# KiCad board LAUNCHXL-F280049C-KICAD.kicad_pcb (continued)
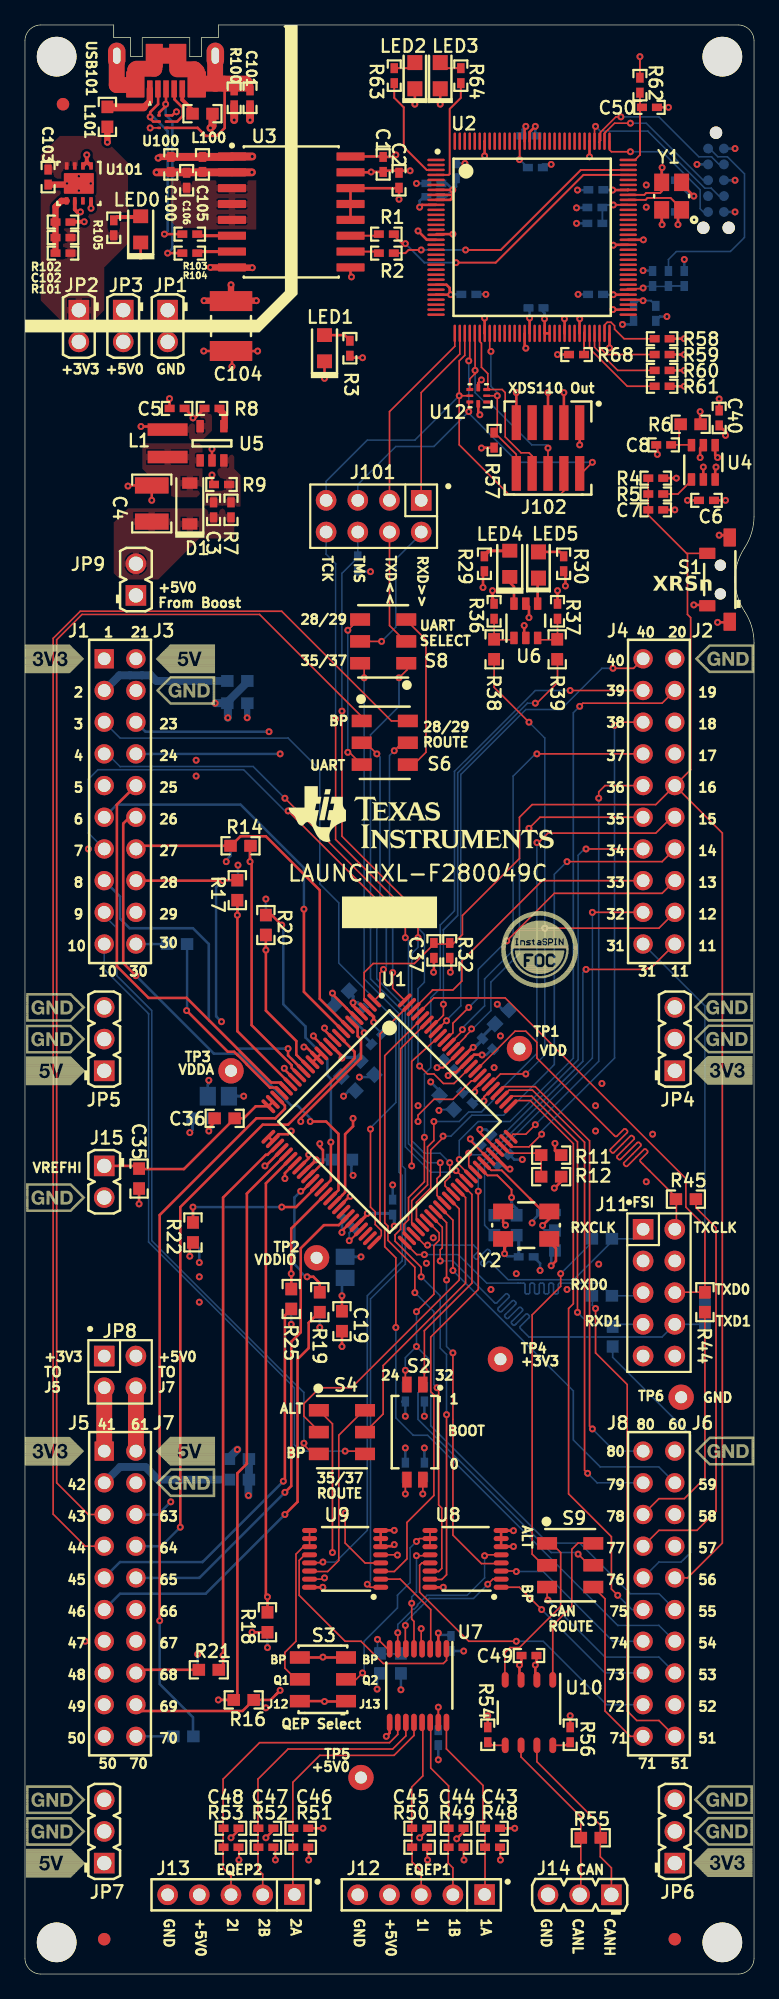
[diagram p0: board, top side]
## Nets
+3V3: C1.2 C2.2 C5.1 C6.2 C15.1 C19.1 C40.2 C41.1 C49.2 C51.1 C52.1 C53.1 C54.1 C55.1 C56.1 C57.1 C58.1 J1.1 J10.1 J11.10 J102.1 JP2.2 JP4.1 JP6.1 JP8.1 L1.1 L2.1 L3.1 R3.2 R4.2 R6.2 R8.2 R10.2 R11.2 R29.2 R30.2 R32.2 R33.2 R34.2 R36.2 R37.2 R42.1 R54.2 R57.2 R58.2 R59.2 R60.2 R61.2 R65.2 R70.2 S3.3 S3.6 TP4.1 U2.7 U2.8 U2.9 U2.16 U2.26 U2.28 U2.39 U2.47 U2.51 U2.52 U2.69 U2.79 U2.90 U2.101 U2.113 U2.122 U3.12 U3.13 U3.14 U3.16 U4.3 U4.4 U4.5 U5.5 U6.5 U7.2 U8.16 U9.16 U10.3 U12.8
+5V0: C42.2 J1.21 J12.4 J13.4 JP3.2 JP5.1 JP7.1 JP8.2 JP9.1 R48.2 R49.2 R50.2 R51.2 R52.2 R53.2 R62.1 TP5.1 U7.15
GND: C1.1 C2.1 C4.2 C5.2 C6.1 C7.2 C8.2 C9.1 C10.1 C11.2 C12.2 C13.2 C14.2 C15.2 C16.2 C17.2 C18.2 C19.2 C20.2 C21.1 C22.1 C23.1 C24.1 C25.1 C26.1 C27.1 C28.1 C29.1 C30.1 C31.1 C32.2 C33.2 C34.2 C35.2 C36.2 C37.1 C38.2 C39.2 C40.1 C41.2 C42.1 C43.2 C44.2 C45.2 C46.2 C47.2 C48.2 C49.1 C50.2 C51.2 C52.2 C53.2 C54.2 C55.2 C56.2 C57.2 C58.2 C59.2 C60.2 C61.2 C62.2 C63.2 C66.2 C104.1 J1.22 J2.20 J5.22 J6.20 J10.3 J10.5 J10.9 J11.3 J11.4 J12.5 J13.5 J14.3 J15.2 J102.3 J102.5 J102.9 JP1.2 JP4.2 JP4.3 JP5.2 JP5.3 JP6.2 JP6.3 JP7.2 JP7.3 LED1.1 LED2.2 LED3.2 R9.1 R12.2 R26.1 R27.1 R35.2 R40.1 R41.1 R43.1 R56.1 R67.1 R68.1 S1.1 S1.2 S1.3 S3.1 S3.4 TP6.1 U1.5 U1.12 U1.26 U1.27 U1.33 U1.42 U1.45 U1.72 U1.82 U1.86 U2.10 U2.17 U2.48 U2.55 U2.58 U2.64 U2.66 U2.80 U2.114 U3.9 U3.15 U4.2 U5.2 U6.2 U7.9 U8.6 U8.7 U8.8 U9.6 U9.7 U9.8 U10.2 U12.4 Y1.2 Y1.4 Y2.2 Y2.4
VDD: C9.2 C10.2 C11.1 C12.1 C13.1 C14.1 TP1.1 U1.4 U1.46 U1.71 U1.87
VDDA: C16.1 C17.1 C18.1 L2.2 TP3.1 U1.11 U1.34
VDDIO: C20.1 C21.2 C22.2 C23.2 C24.2 C25.2 L3.2 TP2.1 U1.3 U1.47 U1.70 U1.80 U1.88
ADCINA0: J5.30 R13.1
ADCINA1: J1.30 R15.1
ADCINA2: J5.24 U1.9
ADCINA3_P2I: J5.29 R16.2 U1.10
ADCINA4_P2OF: J5.6 R19.1
ADCINA5: J1.23 U1.35
ADCINA6: J5.23 U1.6
ADCINA8_P6OF: J5.8 R22.1
ADCINA9_P5I: J1.29 R20.2 U1.38
ADCINB0: J1.24 U1.41
ADCINB1: J1.26 U1.40
ADCINB2_P1I: J1.27 R14.2 U1.7
ADCINB3: J1.6 U1.8
ADCINB4_P4OF: J5.5 R25.1
ADCINC0_P3I: J1.28 R17.2 U1.19
ADCINC1: J5.26 U1.29
ADCINC2: J1.25 U1.21
ADCINC3_P4I: J5.27 R18.2
ADCINC4: J1.8 U1.17
ADCINC5_P6I: J5.28 R21.2
ADCINC14: J5.25 U1.44
DEBUG_ID4: R58.1 U2.63
DEBUG_ID5: R59.1 U2.62
DEBUG_ID6: R60.1 U2.61
DEBUG_ID7: R61.1 U2.60
EQEP1A: C43.1 J12.1 R48.1 U7.16
EQEP1B: C44.1 J12.2 R49.1 U7.14
EQEP1I: C45.1 J12.3 R50.1 U7.13
EQEP2A: C46.1 J13.1 R51.1 U7.12
EQEP2B: C47.1 J13.2 R52.1 U7.11
EQEP2I: C48.1 J13.3 R53.1 U7.10
GPIO0: J6.40 U1.79
GPIO1: J6.39 U1.78
GPIO2_BP: J6.36 R71.2
GPIO2_FSIRXD1: J11.7 R71.1 U1.77
GPIO3: J6.35 U1.76
GPIO4: J2.36 U1.75
GPIO5: J2.35 U1.89
GPIO6_BP: J6.38 R44.2
GPIO6_FSITXD0: J11.6 R44.1 U1.97
GPIO7_BP: J6.37 R45.2
GPIO7_FSITXCLK: J11.2 R45.1 U1.84
GPIO8: J2.38 U1.74
GPIO9: J2.37 U1.90
GPIO10: J2.40 U1.93
GPIO11: J2.39 U1.52
GPIO12_BP: J6.11 R47.2
GPIO12_FSIRXD0: J11.5 R47.1 U1.51
GPIO13: J1.3 U1.50
GPIO14: U1.96 U8.14
GPIO14_BP: J6.32 U8.13
GPIO14_Q2A: U7.5 U8.12
GPIO15: U1.95 U8.15
GPIO15_BP: J6.33 U8.1
GPIO15_Q2B: U7.6 U8.2
GPIO16: J2.15 U1.54
GPIO17: J2.14 U1.55
GPIO18_BP: J2.32 R28.1
GPIO18_X2: R28.2 R31.2 U1.68
GPIO22: J5.7 U1.83
GPIO23: J2.12 R38.1 U1.81
GPIO24: J6.15 R33.1 S2.2 U1.56
GPIO25_BP: J2.31 R72.2
GPIO25_FSITXD1: J11.8 R72.1 U1.57
GPIO26: U1.58 U8.4
GPIO26_BP: J6.34 U8.3
GPIO26_Q2I: U7.7 U8.5
GPIO27: J6.19 U1.59
GPIO28: S6.2 U1.1
GPIO28_BP: J5.3 S6.1
GPIO28_SCIRX: S6.3 S8.6
GPIO29: S6.5 U1.100
GPIO29_BP: J5.4 S6.4
GPIO29_SCITX: S6.6 S8.3
GPIO30: J2.33 U1.98
GPIO31: J6.14 U1.99
GPIO32: R34.1 S2.1 S9.5 U1.64
GPIO32_BP: J6.31 S9.6
GPIO32_CANTX: S9.4 U10.1
GPIO33_ALT: R46.2 S9.2
GPIO33_BP: J6.13 S9.3
GPIO33_CANRX: S9.1 U10.4
GPIO33_FSIRXCLK: J11.1 R46.1 U1.53
GPIO34: J6.12 R39.1 U1.94
GPIO35: S4.5 U1.63
GPIO35_ALT: S4.4 U9.14
GPIO35_BP: J1.10 S4.6
GPIO35_Q1A: U7.1 U9.12
GPIO35_SCIRX: S8.4 U9.13
GPIO37: S4.2 U1.61
GPIO37_ALT: S4.1 U9.15
GPIO37_BP: J1.9 S4.3
GPIO37_Q1B: U7.3 U9.2
GPIO37_SCITX: S8.1 U9.1
GPIO39: J2.13 U1.91
GPIO40: J1.4 U1.85
GPIO56: J1.7 U1.65
GPIO57: J2.19 U1.66
GPIO58: J2.34 U1.67
GPIO59: U1.92 U9.4
GPIO59_BP: J2.11 U9.3
GPIO59_Q1I: U7.4 U9.5
ITCK: J10.4 U2.100
ITDI: J10.8 U2.98
ITDO: J10.6 U2.97
ITMS: J10.2 U2.99
NetC3_1: C3.1 C4.1 D1.1 JP9.2 R7.2
NetC3_2: C3.2 R7.1 R9.2 U5.3
NetC8_1: C8.1 R6.1 U4.6
NetC26_2: C26.2 R14.1 U1.18
NetC27_2: C27.2 R16.1 U1.30
NetC28_2: C28.2 R17.1 U1.20
NetC29_2: C29.2 R18.1 U1.31
NetC30_2: C30.2 R20.1 U1.16
NetC31_2: C31.2 R21.1 U1.28
NetC32_1: C32.1 R19.2 U1.36
NetC33_1: C33.1 R22.2 U1.37
NetC34_1: C34.1 R25.2 U1.39
NetC35_1: C35.1 C36.1 J15.1 U1.24 U1.25
NetC38_1: C38.1 R31.1 Y2.1
NetC50_1: C50.1 R62.2 U2.96
NetC59_1: C59.1 C60.1 C61.1 U2.87 U2.115
NetC62_1: C62.1 U2.89 Y1.3
NetC63_1: C63.1 U2.88 Y1.1
NetC66_1: C66.1 R70.1 U2.68
NetC101_1: C101.1 R100.2 U100.1 USB101.6 USB101.7 USB101.8 USB101.9 USB101.10 USB101.11
NetC102_2: C102.2 R101.1 R102.2 U101.5
NetC106_2: C106.2 U3.3 U3.4 U3.5
NetD1_2: D1.2 L1.2 U5.1
NetJ5_1: J5.1 JP8.3
NetJ5_21: J5.21 JP8.4
NetJ10_10: J10.10 R66.1
NetJ14_1: J14.1 R55.2 U10.7
NetJ14_2: J14.2 R55.1 U10.6
NetL100_1: L100.1 USB101.5
NetL101_1: L101.1 USB101.1
NetLED0_2: LED0.2 R105.1
NetLED1_2: LED1.2 R3.1
NetLED2_1: LED2.1 R63.1
NetLED3_1: LED3.1 R64.1
NetLED4_1: LED4.1 U6.6
NetLED4_2: LED4.2 R29.1
NetLED5_1: LED5.1 R30.1
NetLED5_2: LED5.2 U6.4
NetR1_1: R1.1 U3.11
NetR2_1: R2.1 U3.10
NetR5_1: R5.1 U4.1
NetR8_1: R8.1 U5.4
NetR13_2: R13.2 U1.23
NetR15_2: R15.2 U1.22
NetR23_1: R23.1 R26.2 U1.13 U1.14 U1.15
NetR24_1: R24.1 R27.2 U1.32
NetR36_1: R36.1 R38.2 U6.1
NetR37_1: R37.1 R39.2 U6.3
NetR40_2: R40.2 S2.3
NetR41_2: R41.2 S2.4
NetR42_2: R42.2 R43.2 U7.8
NetR54_1: R54.1 U10.5
NetR56_2: R56.2 U10.8
NetR63_2: R63.2 U2.3
NetR64_2: R64.2 U2.4
NetR65_1: R65.1 R66.2 R67.2 U2.70
NetR68_2: R68.2 U2.59
NetR103_2: R103.2 U3.6
NetR104_2: R104.2 U3.7
PGA135_GND: J1.2 R23.2
PGA246_GND: J5.2 R24.2
QEP1_SEL: S3.5 U9.9 U9.10 U9.11
QEP2_SEL: S3.2 U8.9 U8.10 U8.11
RXD_FROM_XDS: J101.2 S8.5
TCK: J101.8 U1.60
TMS: J101.6 R10.1 U1.62
TXD_TO_XDS: J101.4 S8.2
USB_DM: R103.1 U100.5 USB101.2
USB_DP: R104.1 U100.4 USB101.3
USB_GND: C100.2 C101.2 C103.2 C104.2 C105.1 C106.1 JP1.1 L100.2 LED0.1 R100.1 R102.1 U3.2 U3.8 U100.3 U101.6 U101.9
USB_ID: U100.2 USB101.4
USB_VBUS: C100.1 C105.2 JP3.1 L101.2 U3.1 U100.6 U101.1 U101.2 U101.8
USB_VCC: C102.1 C103.1 JP2.1 R101.2 R105.2 U101.3 U101.4
VREGENZ: R11.1 R12.1 U1.73
X1: C39.1 R35.1 U1.69 Y2.3
XDS_DM: R1.2 U2.93
XDS_DP: R2.2 U2.94
XDS_RESET_OUT: J102.10 R57.1 U2.40 U12.2
XDS_RXD: J101.3 U2.33
XDS_TCK_SWDCLK: J101.7 J102.4 U2.35 U12.6
XDS_TDI: J102.8 U2.38 U12.3
XDS_TDO_SWO: J102.6 U2.37 U12.5
XDS_TMS_SWDIO: J101.5 J102.2 U2.36 U12.7
XDS_TXD: J101.1 U2.34
XRSn: C7.1 C37.2 J2.16 J6.16 R4.1 R5.2 R32.1 S1.4 U1.2

Pads without a net: FID1 1; FID2 1; FID3 1; FID4 1; FID5 1; FID6 1; J1 5; J2 17 18; J5 9 10; J6 17 18; J10 7; J11 9; J102 7; U1 43 48 49; U2 1 2 5 6 11 12 13 14 15 18 19 20 21 22 23 24 25 27 29 30 31 32 41 42 43 44 45 46 49 50 53 54 56 57 65 67 71 72 73 74 75 76 77 78 81 82 83 84 85 86 91 92 95 102 103 104 105 106 107 108 109 110 111 112 116 117 118 119 120 121 123 124 125 126 127 128; U12 1; U101 7

## Via types
v1: diameter 0.559, hole 0.254, Top Signal to Bottom Signal, 400 vias
v2: diameter 0.5, hole 0.2, Top Signal to Bottom Signal, 4 vias

## Routing (per net, layer and track width the routed paths; a pad name or vN(x,y) marks a point on that pad's centre or on a via; arc(x,y) is an arc through that point)
+3V3: length 92.3
  Top Signal w0.203: U2.47 40.04,130.39 v1(40.13,130.3) ; v1(36.45,124.97) 36.32,125.09 U12.8 ; v1(36.83,145.72) 36.83,146.88 U2.122 ; v1(29.72,145.8) 29.56,145.63 28.96,145.63 ; 39.79,24.86 C49.2 ; v1(29.97,142.24) C2.2 ; v1(33.12,27.33) 33.12,26.11 33.1,26.09 U7.2 ; 36.83,112.39 36.7,112.27 v1(36.7,111.12) 36.8,111.12 36.81,111.14 ; U2.7 34.26,142.99 34.26,142.62 34.24,142.59 ; v1(36.58,122.3) 36.61,122.34 R57.2 ; R4.2 v1(52.2,119.89) ; v1(40.89,148.08) 40.44,147.63 U2.113 ; U2.79 47.15,138.59 47.12,138.56 ; v1(27.05,129.54) 26.16,129.54 26.03,129.67 ; U2.39 36.83,131.5 v1(36.83,132.72) ; v1(34.29,139.45) 32.99,139.45 U2.16 ; 34.24,142.59 U2.8 ; 34.24,142.59 34.24,142.35 34.08,142.19 U2.9 ; U6.5 40.39,109.58 v1(40.39,108.71) ; v1(42.47,66.57) 42.47,65.99 42.93,65.53 42.96,65.53 ; R37.2 v1(42.67,110.87) ; S3.3 23.9,25.37 v1(23.88,25.4) 23.85,25.37 S3.6 ; v1(37.47,110.87) 37.47,110.24 37.59,110.11 R36.2 37.57,109.84 ; U4.3 55.31,120.58 55.3,120.59 55.37,120.67 v1(55.37,120.78) ; 12.7,125.48 C5.1 13.46,124.81 ; 42.03,131.49 U2.51 41.64,132.57 41.63,132.58 v1(41.63,132.66) ; v1(54.1,121.54) 54.1,122.28 U4.5 ; v1(47.09,142.98) 48.3,142.98 48.33,143 U2.90 ; U2.101 45.24,146.89 v1(45.24,145.64) ; U3.12 26.09,142.93 26.16,143 ; 26.16,143.26 26.16,143.13 29.84,143.13 ; v1(44.45,122.55) J102.1 ; 54.1,124.16 v1(54.1,125.22) ; 14.48,125.48 R8.2 13.62,124.71 v1(13.46,124.71) ; U2.28 32.94,134.59 v1(34.11,134.59) ; v1(9.3,124.03) 11.18,124.03 L1.1 ; 34.16,80.26 34.16,81.31 R32.2 ; U10.3 39.62,23.71 v1(39.62,24.76) ; U3.16 28.83,145.67 ; C19.1 v1(25.4,54.36) ; U8.16 v1(33.52,31) ; R54.2 v1(37.08,20.7) ; 34.04,134.62 34.04,135.13 33.77,135.39 U2.26 ; v1(55.5,121.54) 55.31,121.73 U4.4 ; R30.2 43.31,112.28 v1(43.31,111.25) ; U2.69 47.27,134.59 47.27,134.59 v1(47.14,134.59) ; R59.2 v1(52.83,129.79) ; 25.4,53.09 25.42,53.1 ; v1(56.13,123.32) 56.13,123.45 56.21,123.53 C40.2 ; R61.2 v1(52.83,127.25) ; R58.2 v1(52.83,131.06) ; U9.16 v1(23.86,31) ; R60.2 v1(52.83,128.52) ; C6.2 v1(56.13,118.11)
  Bottom Signal w0.203: v1(34.28,142.99) 33.78,142.49 33.53,142.49 ; 46.48,134.62 46.51,134.59 v1(47.14,134.59) ; C56.1 34.54,143.26 34.29,143 33.78,143.51 C58.1 ; v1(41.63,132.66) 41.63,133.07 41.66,133.1 41.4,133.35 ; 46.3,143 46.33,142.98 v1(47.09,142.98) 47.22,142.98 47.24,143 47.09,143 ; v1(27.69,112.39) 26.7,112.39 R10.2 ; v1(49.53,136.53) 50.26,136.53 R65.2 ; J10.1 v1(56.9,146.3) ; L2.1 14.64,71.29 14.73,71.37 v1(14.73,71.63) ; C15.1 13.42,67.65 v1(13.21,67.44) ; 34.04,134.62 C55.1 ; v1(30.48,44.7) 30.48,45.63 30.23,45.88 ; v1(25.4,54.36) 25.4,55.54 L3.1 ; 28.45,24.29 R42.1 28.42,24.07 28.47,24.02 28.22,23.76 v1(28.22,22.83) ; R70.2 48.48,132.21 v1(47.88,132.21) ; 33.27,27.18 33.94,27.18 ; 40.89,147.32 v1(40.89,148.08) ; v1(32,44.7) R34.2
  vias: v1(34.09,80.29) v1(47.14,138.56)
+5V0: length 9.8
  Top Signal w0.152: U7.15 33.02,20.06 33.15,19.94 ; v1(20.07,9.14) 20.07,10.03 19.94,10.16 ; v1(32.26,9.14) 32.22,9.18 R50.2 ; R62.1 v1(49.28,153.67) ; v1(17.15,9.14) 17.15,10.16 ; 33.12,19.96 v1(33.12,21.39) ; v1(35.18,9.14) 35.14,9.18 R49.2 ; 37.94,10.16 R48.2 38.1,10.12 v1(38.1,9.14) ; v1(22.73,9.14) 22.73,10.16
GND: length 163
  Top Signal w0.203: v1(22.73,65.66) 22.73,65.38 22.25,64.9 22.25,64.9 ; v1(16.51,10.92) 17.15,11.56 17.15,11.68 ; v1(31.62,141.6) 31.81,141.79 U2.10 ; 25.78,21.84 v1(24,21.84) 23.98,21.87 S3.4 ; U2.80 49.48,138.99 49.53,138.94 ; 32.26,11.68 32.26,11.56 v1(31.62,10.92) ; v1(18.64,130.07) 16.57,130.07 16.54,130.05 C104.1 ; v1(39.14,34.26) 38.19,34.26 38.17,34.24 U8.6 U8.7 38.16,35.5 ; v1(55.5,108.33) 56.51,108.33 ; 34.56,10.84 34.57,10.86 ; 34.56,10.84 34.54,10.83 ; 34.56,10.84 34.59,10.8 ; 40.13,107.06 40,107.19 v1(40,108.08) ; U2.114 40.04,147.99 v1(40.13,148.08) ; U10.2 40.89,23.71 v1(40.89,24.76) ; v1(33.27,149.86) LED3.2 ; 54.61,109.47 54.61,109.73 v1(53.59,109.73) ; U1.5 26.1,77.09 26.08,77.09 25.78,77.39 25.78,77.39 24.64,78.54 v1(24.64,78.61) ; 34.59,10.79 34.59,10.8 ; 34.59,10.79 34.54,10.74 ; 34.59,10.79 34.6,10.79 ; 34.59,10.8 v1(34.59,10.84) 35.18,11.43 35.18,11.68 ; 34.59,10.8 34.6,10.79 ; U2.17 32.2,138.99 v1(31.5,139.7) ; 40.99,24.86 C49.1 ; v1(42.67,129.79) R68.1 ; U4.2 v1(54.36,120.78) ; 22.25,64.9 U1.33 ; 22.25,64.9 22.22,64.9 ; v1(46.84,130.33) 46.84,130.58 46.84,130.58 U2.64 ; U2.48 40.44,132.53 40.44,132.54 v1(40.44,132.72) ; Y2.2 42.01,58.7 42.54,58.17 42.54,57.15 v1(42.16,56.77) ; v1(25.4,50.29) C19.2 ; Y2.4 38.31,60.24 38.51,60.05 v1(38.51,60.02) ; C36.2 15.2,68.29 14.73,67.82 v1(14.73,67.56) ; v1(36.45,67.69) 36.45,67.45 U1.72 ; v1(39.14,35.53) 38.17,35.53 U8.8 ; J102.9 v1(39.37,126.75) ; C40.1 v1(55.63,126.24) ; 28.66,144.43 28.7,144.48 ; 28.66,144.43 C1.1 ; 28.66,144.43 27.72,144.43 27.69,144.4 U3.15 ; C8.2 50.67,122.46 v1(50.67,121.79) ; 15.11,119.38 14.99,119.51 v1(14.99,120.14) ; v1(51.05,140.21) 51.05,140.46 51.02,140.5 Y1.4 ; C104.1 14.51,130.08 14.5,130.07 v1(14.33,130.07) ; C104.1 16.59,130 v1(16.59,128.83) ; v1(39.24,11.68) C43.2 37.97,11.68 ; C50.2 v1(51.56,149.61) ; U2.55 43.24,132.66 v1(43.23,132.66) 43.18,132.72 ; 36.53,127.71 36.32,127.51 U12.4 ; 28.5,35.5 U9.7 U9.6 28.54,34.29 29.46,34.29 v1(29.59,34.42) ; 36.83,71.68 36.75,71.68 36.04,70.97 v1(36.04,70.71) ; 47.12,133.35 47.16,133.39 U2.66 ; v1(8.25,119.25) 8.4,119.25 8.46,119.31 C4.2 10.41,119.05 10.16,118.8 v1(10.16,118.11) ; v1(33.91,72.01) 34.16,72.26 34.54,72.26 35.36,73.08 U1.86 35.98,73.69 36.65,73.69 ; 19.94,11.68 19.94,11.56 v1(19.3,10.92) ; 43.69,19.69 R56.1 v1(43.69,20.7) ; v1(11.58,126.26) 11.58,126.09 11.59,126.08 C5.2 ; 34.6,10.79 34.73,10.92 ; v1(23.11,75.18) 23.11,75.13 U1.12 ; 44.45,132.72 44.44,132.7 U2.58 ; C7.2 v1(52.07,117.35) ; S1.2 56.29,115.32 v1(55.63,115.32) ; v1(42.42,62.99) 42.44,62.99 43,63.55 42.93,63.63 42.93,64.01 ; v1(31.24,149.86) LED2.2 ; 26.09,136.22 U3.9 ; 32.77,80.26 C37.1 ; v1(29.59,35.56) 28.51,35.56 U9.8 ; 47.03,133.39 47.12,133.39 ; v1(21.34,67.56) 21.08,67.31 20.32,67.31 19.81,66.8 ; 19.56,67.05 U1.27 ; 28.57,144.53 v1(30.86,144.53) ; v1(47.12,133.4) 47.28,133.4 ; v1(9.14,61.72) C35.2 ; 52.58,143.51 v1(53.59,142.49) ; U5.2 v1(14.99,122.22) ; v1(26.06,62.33) 26.01,62.33 25.16,61.48 U1.42 ; 49.53,138.99 v1(49.56,138.99) ; v1(53.09,118.11) C6.1 ; v1(25.4,59.44) 25.4,59.57 U1.45 ; J102.5 v1(41.91,126.75) ; J102.3 v1(43.18,126.75) ; v1(24,127.89) LED1.1 ; C46.2 v1(23.88,11.68) ; v1(28.96,19.05) 29.22,19.32 U7.9
  Bottom Signal w0.203: v1(51.05,140.21) 51.05,141.22 ; C39.2 40.64,60.33 v1(40.64,60.2) ; C14.2 27.18,75.61 v1(27.18,75.44) 27.18,75.18 27.81,74.55 ; v1(21.34,52.07) C34.2 ; 34.11,25.93 34.15,25.89 ; 34.15,25.89 C41.2 ; 34.15,25.89 35.09,25.89 35.1,25.88 v1(35.15,25.88) ; v1(17.07,88.87) 17.07,87.72 C28.1 ; R40.1 v1(30.48,42.16) ; v1(33.12,17.17) 33.12,18.34 ; 27.94,72.01 27.81,71.88 v1(26.8,71.88) ; v1(44.27,142.98) 45.12,142.98 C52.2 45.37,143 ; 25.4,60.71 C22.1 25.65,60.45 25.4,60.2 v1(25.4,59.44) ; J10.5 v1(56.9,141.22) ; C55.2 v1(36.93,134.62) ; v1(13.97,57.02) 13.97,58.17 13.46,58.67 ; R41.1 v1(32,42.16) ; v1(14.73,67.56) 15.02,67.86 C15.2 ; 29.97,24.09 R43.1 30.12,22.94 30.23,22.83 ; v1(31.37,143.51) C58.2 ; C66.2 50.89,132.84 v1(51.44,132.84) ; v1(40.13,148.08) 39.88,147.83 39.88,147.32 ; C59.2 45.04,141.55 v1(44.2,141.55) ; 41.49,145.03 v1(42.16,145.03) ; v1(35.26,145.11) 34.98,145.11 34.96,145.13 C56.2 ; v1(25.53,70.36) 25.98,70.81 C18.2 ; 34.54,72.39 34.16,72.01 v1(33.91,72.01) ; 27.74,72.33 27.94,72.14 ; v1(24.64,78.61) 24.64,77.85 24.89,77.6 ; v1(19.43,26.16) C29.1 19.47,27.43 ; 17.78,101.85 17.81,101.83 ; R27.1 16.34,41.4 ; 40.39,133.35 40.44,133.3 v1(40.44,132.72) ; C30.1 v1(19.3,86.16) ; v1(44.2,140.31) C60.2 ; C38.2 41.28,56.97 v1(41.28,56.39) ; v1(53.59,142.49) 53.34,142.49 52.07,143.76 ; v1(26.29,64.01) 26.29,64.13 26.16,64.26 26.16,64.77 25.95,64.99 ; 37.34,74.04 36.96,73.66 v1(36.63,73.66) ; v1(42.16,56.77) 42.16,57.69 R35.2 ; v1(39.85,65.28) 39.2,65.28 C12.2 ; C27.1 18.45,22.1 19.22,21.34 v1(19.3,21.34) ; R67.1 v1(52.83,137.41) ; v1(32.51,71.5) 33.4,70.61 ; v1(31.62,141.6) 31.62,142.11 32,142.49 ; 38.61,76.96 v1(37.85,77.72) ; C26.1 16.47,89.62 16.13,89.28 v1(16.13,89.15) ; 35,70.61 35.13,70.74 35.15,70.71 v1(36.04,70.71) ; 13.97,24.35 13.84,24.47 v1(13.84,25.63) ; J10.3 v1(56.9,143.76) ; v1(23.62,51.82) C32.2 ; v1(53.85,145.03) J10.9 ; v1(36.45,67.69) 36.96,67.69 37.47,67.18 ; v1(44.32,134.62) C53.2 ; C13.2 v1(29.46,63.25)
  Bottom Signal w0.508: v1(17.81,100.69) 17.81,101.83
  Bottom Signal w0.635: 16.38,41.4 v1(17.02,42.04)
  vias: v1(4.83,26.67) v1(5.08,90.17) v1(13.72,97.28) v1(13.72,96.01) v1(13.97,55.88) v1(13.97,53.85) v1(26.16,136.02) v1(27.74,144.42) v1(30.12,22.78) v1(31.5,69.6) v1(32.17,56.97) v1(32.74,80.29) v1(32.72,59) v1(36.58,127.76) v1(37.34,54.86) v1(37.59,72.64) v1(38.1,75.18) v1(39.37,56.13) v1(43.43,54.86) v1(44.45,132.66) v1(45.72,69.6) v1(45.72,67.56) v1(45.97,56.9) v1(46.23,71.37) v1(49.78,143.38) v1(49.78,141.6) v1(49.78,63.5) v1(50.29,67.31)
VDD: length 15.4
  Top Signal w0.254: U1.46 27.5,60.96 ; U1.87 35.86,74.27 v1(35.92,74.27) ; U1.71 38.68,64.52 v1(38.86,64.52) ; U1.4 26.29,77.61 v1(26.29,77.85)
  Bottom Signal w0.254: v1(29.59,59.94) 29.59,60.74 C13.1 ; 25.97,78.68 26.29,78.36 v1(26.29,77.85) 26.67,77.85 27.18,77.34 ; 25.97,78.68 25.91,78.74 ; 25.97,78.68 C10.2 ; v1(35.92,74.27) 36.04,74.27 36.58,74.8 36.58,75.06 ; v1(27.43,60.96) 29.46,60.96 ; 25.91,78.87 25.97,78.8 ; 37.29,76.2 37.72,76.2 36.66,75.14 C11.1 ; 27.05,77.6 27.18,77.47 ; v1(38.86,64.52) 38.61,64.52 38.27,64.85 C12.1
VDDA: length 8.1
  Top Signal w0.254: v1(23.34,65.25) 22.37,64.28 U1.34 ; v1(23.34,65.25) 23.32,65.27 v1(23.34,65.25) ; v1(25.4,73.41) 25.4,73.55 U1.11
  Bottom Signal w0.254: L2.2 v1(17.53,70.36) ; 25.34,73.46 26.61,73.46 25.65,72.51 25.65,72.39 ; C16.1 24.57,65.25 v1(23.34,65.25)
VDDIO: length 16.2
  Top Signal w0.152: v1(25.98,58.78) 26.02,58.78 U1.47 ; v1(33.02,72.64) 33.53,72.64 U1.88 ; 36.45,66.04 U1.70 ; U1.80 37.43,70.96 36.78,70.31 v1(36.78,69.98) ; 36.45,66.04 35.69,66.8 v1(35.69,66.93)
  Top Signal w0.254: v1(27.94,76.29) 27.94,76.71 27.43,77.22
  Bottom Signal w0.152: v1(33.17,69.21) 33.2,69.21 ; 36.41,66.25 36.37,66.25 v1(35.69,66.93) ; v1(33.02,72.64) 33.66,73.28 ; 34.35,69.28 34.42,69.34 ; v1(25.98,58.78) 25.98,59.41 26.34,59.77 ; 35.86,69.77 36.07,69.98 v1(36.78,69.98) ; 27.94,76.33 v1(27.94,76.29) 27.94,76.03 C21.2 ; C20.1 33.24,69.28 33.2,69.24
  Bottom Signal w0.254: 25.68,57.49 L3.2 25.4,57.49 ; 25.68,57.48 v1(26.92,57.48)
ADCINA0: length 3
  Bottom Signal w0.203: J5.30 R13.1
ADCINA1: length 2.8
  Bottom Signal w0.203: 8.64,82.55 J1.30 R15.1
ADCINA2: length 51.1
  Top Signal w0.203: v1(12.45,35.81) 12.45,61.47 19.05,68.07 21.08,68.07 26.42,73.41 26.42,73.91 25.16,75.17 U1.9
  Bottom Signal w0.203: J5.24 10.92,34.29 v1(12.45,35.81)
ADCINA3_P2I: length 70.2
  Top Signal w0.203: J5.29 9.4,21.08 17.44,21.08 R16.2 19.69,21.97 v1(20.45,22.73) ; 20.13,22.42 v1(20.45,22.73) ; v1(20.45,22.73) 20.07,22.35 ; v1(24,75.82) 24,75.65 U1.10
  Middle Signal w0.203: v1(20.45,22.73) 20.98,23.27 20.98,35.71 21.59,36.32 21.59,43.31 22.1,43.81 22.1,59.44 25.15,62.48 25.15,66.85 24.76,67.23 24.76,75.06 v1(24,75.82)
ADCINA4_P2OF: length 35
  Top Signal w0.203: v1(20.83,36.83) 21.84,37.85 21.84,49.28 22.73,50.16 22.73,52.2 23.62,53.09
  Bottom Signal w0.203: v1(20.83,36.83) 14.48,30.48 7.62,30.48 J5.6
ADCINA5: length 49
  Top Signal w0.203: U1.35 22.78,63.92 23.88,65.02 23.88,66.04 23.62,66.29 v1(23.62,66.55)
  Middle Signal w0.203: v1(19.56,99.57) 19.56,97.03 21.59,95 21.59,77.47 23.62,75.44 v1(23.62,66.55)
  Bottom Signal w0.203: v1(19.56,99.57) 9.65,99.57 J1.23
ADCINA6: length 50
  Top Signal w0.203: v1(22.1,68.33) 22.1,68.58 26.92,73.41 26.92,74.9 26.65,75.17 26.65,75.83 26.23,76.26 U1.6
  Middle Signal w0.203: v1(22.1,68.33) 19.05,68.33 11.68,60.96 v1(11.68,37.85)
  Bottom Signal w0.203: J5.23 10.67,36.83 v1(11.68,37.85)
ADCINA8_P6OF: length 38.1
  Top Signal w0.203: 13.46,58.55 13.21,58.29 v1(13.21,57.53)
  Middle Signal w0.203: 6.35,24 7.49,25.15 7.49,29.34 8.76,30.61 9.78,30.61 12.95,33.78 12.95,57.15 13.21,57.4 v1(13.21,57.53)
ADCINA9_P5I: length 37.7
  Top Signal w0.203: 23.75,62.86 24.51,63.63 v1(24.51,66.67) ; R20.2 19.77,84.87 v1(20.57,84.07) ; J1.29 9.14,84.84
  Middle Signal w0.203: v1(20.57,84.07) 15.49,84.07 14.48,85.09 J1.29 8.76,85.09
  Bottom Signal w0.203: v1(20.57,84.07) 20.7,83.95 20.7,77.72 22.48,75.95 22.48,75.06 24.23,73.3 24.23,72.03 24.51,71.75 24.51,66.76 24.36,66.61 24.36,66.6 ; v1(24.51,66.67) 24.43,66.67 24.34,66.59
ADCINB0: length 50.7
  Top Signal w0.203: U1.41 25.43,62.42 25.43,62.43 25.65,62.66 25.65,67.31 26.29,67.94 v1(26.29,68.58)
  Middle Signal w0.203: v1(20.45,97.79) 20.57,97.79 23.37,95 23.37,77.47 26.29,74.55 v1(26.29,68.58)
  Bottom Signal w0.203: J1.24 v1(20.45,97.79)
ADCINB1: length 41.1
  Top Signal w0.203: U1.40 25.12,62.82 25.12,67.34 24.13,68.33 v1(22.86,68.33) ; 8.89,93.22 7.87,92.2 7.87,81.03 v1(8.89,80.01)
  Bottom Signal w0.203: v1(8.89,80.01) 15.14,73.76 17.17,73.76 21.34,69.6 21.84,69.6 22.86,68.58 v1(22.86,68.33)
ADCINB2_P1I: length 28.8
  Top Signal w0.203: 16.51,90.42 17.27,91.19 19.3,91.19 23.62,86.87 23.62,78.16 U1.7 ; J1.27 9.14,90.42 R14.2
ADCINB3: length 32.9
  Top Signal w0.203: v1(22.35,85.34) 22.35,78.72 U1.8
  Bottom Signal w0.203: v1(22.35,85.34) 22.35,88.65 17.27,93.73 7.37,93.73 J1.6
ADCINB4_P4OF: length 31.7
  Top Signal w0.203: 21.37,53.3 R25.1 20.83,52.79 20.83,39.62 v1(20.7,39.5)
  Bottom Signal w0.203: v1(20.7,39.5) 14.22,33.02 7.62,33.02 J5.5
ADCINC0_P3I: length 27.8
  Top Signal w0.203: J1.28 v1(15.85,87.63) 15.93,87.63 15.96,87.67 R17.2 ; U1.19 20.78,72.52 20.78,72.52 v1(20.78,72.59)
  Middle Signal w0.203: v1(20.78,72.59) 20.78,72.54 20.73,72.59 19.51,72.59 15.77,76.33 v1(15.75,76.33)
  Bottom Signal w0.203: v1(15.75,76.33) 15.32,76.76 15.32,87.1 v1(15.85,87.63)
ADCINC1: length 43.8
  Top Signal w0.203: U1.29 19.29,64.77 v1(19.23,64.77)
  Middle Signal w0.203: v1(19.23,64.77) 17.02,64.77 14.45,62.2 14.45,57.46 14.48,57.43 14.48,33.53 10.16,29.21 J5.26
ADCINC2: length 32.8
  Top Signal w0.203: 20.98,70.97 20.5,71.45 19.74,71.45 12.95,78.23 9.91,78.23 7.37,80.77 7.37,93.73 J1.25
ADCINC3_P4I: length 10.9
  Top Signal w0.203: v1(18.2,27.39) R18.2
  Middle Signal w0.203: 18.16,27.43 v1(18.2,27.39) 17.47,26.67 J5.27
ADCINC4: length 27.2
  Top Signal w0.203: v1(21.08,74.17) 21.08,73.63 U1.17
  Bottom Signal w0.203: v1(21.08,74.17) 17.02,74.17 14.73,76.45 14.73,82.55 13.46,83.82 8.38,83.82 7.62,84.58 7.62,86.36 J1.8
ADCINC5_P6I: length 5.1
  Top Signal w0.203: J5.28 9.14,24.38 R21.2
ADCINC14: length 39.1
  Top Signal w0.203: 25.46,60.26 25.39,60.26 25.15,60.02 23.95,60.02 22.1,58.17 22.1,51.44 21.34,50.67 21.34,39.12 v1(20.83,38.61)
  Bottom Signal w0.203: J5.25 13.97,31.75 v1(20.83,38.61)
DEBUG_ID4: length 5.4
  Top Signal w0.127: 50.42,131.06 48.01,131.06 47.24,131.83 47.24,132.1 46.96,132.38 46.66,132.38 46.44,132.16 U2.63
DEBUG_ID5: length 5.7
  Top Signal w0.127: U2.62 46.04,130.36 46.61,129.79 50.42,129.79
DEBUG_ID6: length 6.7
  Top Signal w0.127: U2.61 45.64,130.38 47.5,128.52 50.42,128.52
DEBUG_ID7: length 7.6
  Top Signal w0.127: 50.42,127.25 48.26,127.25 45.39,130.13 45.39,130.17 45.24,130.32 U2.60
EQEP1A: length 15.3
  Top Signal w0.127: 36.74,10.25 36.77,10.22 ; U7.16 33.77,18.05 36.7,15.11 36.7,11.81 36.87,11.65 R48.1 36.87,6.26 ; 36.83,6.35 J12.1
EQEP1B: length 14.6
  Top Signal w0.127: 32.51,20.07 32.51,16.51 33.94,15.08 C44.1 33.94,10.19 33.91,10.16 33.91,8.89 34.29,8.51 J12.2 ; 32.47,20.07 U7.14
EQEP1I: length 14.6
  Top Signal w0.127: J12.3 31.75,8.25 31.02,8.98 R50.1 ; 31.75,20.19 31.88,20.07 31.88,15.88 30.99,14.99 30.99,10.16
EQEP2A: length 21.6
  Top Signal w0.127: 21.46,11.72 C46.1 ; 21.46,11.72 21.46,6.48 21.59,6.35 ; 21.46,11.72 21.46,15.37 23.62,17.53 29.58,17.53 31.17,19.12 U7.12 ; R51.1 21.59,10.07
EQEP2B: length 23.8
  Top Signal w0.127: U7.11 30.52,19.09 29.46,18.03 21.08,18.03 18.67,15.62 18.67,11.68 ; J13.2 19.05,8 18.67,8.38 18.67,11.68 ; 18.67,11.68 18.7,11.65
EQEP2I: length 26
  Top Signal w0.127: 15.88,11.68 15.88,15.62 18.8,18.54 29.21,18.54 29.87,19.2 U7.10 ; 15.88,11.68 15.91,11.65 ; 15.88,11.68 15.88,8.51 16.51,7.87 J13.3
GPIO0: length 37.4
  Top Signal w0.127: U1.79 38.37,71.12 40.89,71.12 45.24,66.77 45.24,43.91 v1(45.47,43.69)
  Bottom Signal w0.127: v1(45.47,43.69) 47.24,41.91 J6.40
GPIO1: length 40
  Top Signal w0.127: U1.78 38.8,70.84 40.67,70.84 44.84,66.67 44.84,40.38 v1(45.09,40.13)
  Bottom Signal w0.127: J6.39 45.85,39.37 v1(45.09,40.13)
GPIO2_BP: length 24
  Bottom Signal w0.127: 47.09,50.51 R71.2 47.09,49.43 53.34,43.18 53.34,33.78 52.58,33.02 50.8,33.02 J6.36
GPIO2_FSIRXD1: length 26.7
  Top Signal w0.127: U1.77 39.02,70.36 40.6,70.36 44.27,66.69 v1(44.27,53.03)
  Bottom Signal w0.127: J11.7 47.13,52.07 47.09,52.11 45.2,52.11 v1(44.27,53.03)
GPIO3: length 47.6
  Top Signal w0.127: v1(47.5,30.35) 46.99,30.86 46.99,35.05 43.56,38.48 43.56,53.34 43.94,53.72 43.94,66.55 40.49,70 39.37,70 38.61,69.24
  Bottom Signal w0.127: v1(47.5,30.35) 48.64,29.21 J6.35
GPIO4: length 34.9
  Top Signal w0.127: v1(40.89,68.07) 40.13,67.31 39.12,67.31 U1.75 ; v1(45.97,94.23) 45.97,94.74 46.48,95.25 J2.36
  Bottom Signal w0.127: v1(45.97,94.23) 45.97,73.15 v1(40.89,68.07)
GPIO5: length 29.8
  Top Signal w0.127: v1(35.78,75.75) 35.78,75.66 35.31,75.18 35.31,75.13 U1.89 ; v1(40.39,91.82) 41.28,92.71 J2.35
  Bottom Signal w0.127: v1(40.39,91.82) 40.26,91.82 39.62,91.19 39.62,81.79 37.34,79.5 37.34,77.22 35.87,75.75 v1(35.78,75.75)
GPIO6_BP: length 19.1
  Top Signal w0.127: R44.2 54.48,39.75 52.83,38.1 50.8,38.1 49.78,37.08
GPIO6_FSITXD0: length 40.1
  Top Signal w0.127: U1.97 32.5,77.98 32.51,77.98 32.77,78.23 38.48,78.23 52.96,63.75 52.96,61.47 54.48,59.94 54.48,54.74 ; R44.1 52.11,54.65 J11.6
GPIO7_BP: length 32.3
  Top Signal w0.127: 49.78,34.54 50.8,35.56 53.85,35.56 55.37,37.08 55.37,59.82 53.76,61.43 R45.2
GPIO7_FSITXCLK: length 40.2
  Top Signal w0.127: U1.84 39.28,75.56 40.13,75.56 41.02,74.68 41.02,73.41 47.22,67.21 47.27,67.16 arc(47.35,67.12) 47.43,67.16 47.99,67.71 arc(48.07,67.74) 48.15,67.71 48.26,67.6 arc(48.29,67.52) 48.26,67.44 46.92,66.11 arc(46.89,66.03) 46.92,65.94 47.03,65.84 arc(47.11,65.8) 47.19,65.84 48.52,67.17 arc(48.61,67.2) 48.69,67.17 48.79,67.06 arc(48.83,66.98) 48.79,66.9 47.46,65.57 arc(47.43,65.49) 47.46,65.41 47.57,65.3 arc(47.65,65.26) 47.73,65.3 49.06,66.63 arc(49.14,66.67) 49.23,66.63 49.33,66.52 arc(49.37,66.44) 49.33,66.36 48,65.03 arc(47.97,64.95) 48,64.87 48.11,64.76 arc(48.19,64.73) 48.27,64.76 49.6,66.09 arc(49.68,66.13) 49.76,66.09 49.87,65.99 arc(49.91,65.9) 49.87,65.82 49.32,65.27 arc(49.29,65.19) 49.32,65.11 50.04,64.39 52.2,62.23 52.2,59.82 J11.2
GPIO8: length 41
  Top Signal w0.127: v1(47.24,100.08) 47.5,100.33 J2.38 ; U1.74 39.02,66.29 40.39,66.29 v1(41.4,67.31)
  Bottom Signal w0.127: v1(47.24,100.08) 47.24,73.41 41.4,67.56 v1(41.4,67.31)
GPIO9: length 34.8
  Top Signal w0.127: v1(41.02,97.79) J2.37 ; U1.90 35.05,75.58 v1(35.05,75.69)
  Bottom Signal w0.127: v1(41.02,97.79) 40.89,97.79 39.12,96.01 39.12,82.04 36.83,79.76 36.83,77.6 35.05,75.82 v1(35.05,75.69)
GPIO10: length 39.9
  Top Signal w0.127: U1.93 33.75,76.4 v1(33.78,76.4) ; J2.40 48.77,104.65 v1(47.12,104.65)
  Bottom Signal w0.127: v1(47.12,104.65) 46.23,104.65 42.93,101.35 40.13,101.35 34.93,96.14 34.93,77.6 33.78,76.45 v1(33.78,76.4)
GPIO11: length 57.1
  Top Signal w0.127: U1.52 30.36,59.39 30.36,60.08 30.73,60.45 30.73,62.23 32,63.5 v1(32,67.06) ; v1(43.69,102.87) J2.39
  Bottom Signal w0.127: v1(32,67.06) 32,72.14 32.51,72.64 32.51,78.23 33.27,78.99 33.27,84.07 34.42,85.22 34.42,96.39 40.89,102.87 v1(43.69,102.87)
GPIO12_BP: length 39.1
  Top Signal w0.127: v1(45.72,53.34) 45.72,49.78 48.26,47.24 48.26,21.08 49.02,20.32 50.8,20.32 J6.11
  Bottom Signal w0.127: 45.47,54.36 45.47,53.59 v1(45.72,53.34)
GPIO12_FSIRXD0: length 26.6
  Top Signal w0.127: U1.51 31.39,57.66 v1(32,57.66)
  Bottom Signal w0.127: R47.1 46.01,55.37 42.85,55.37 arc(42.77,55.34) 42.74,55.26 42.74,54.63 arc(42.7,54.55) 42.62,54.51 42.47,54.51 arc(42.39,54.55) 42.35,54.63 42.35,55.26 arc(42.32,55.34) 42.24,55.37 42.09,55.37 arc(42.01,55.34) 41.97,55.26 41.97,54.63 arc(41.94,54.55) 41.86,54.51 41.71,54.51 arc(41.63,54.55) 41.59,54.63 41.59,55.26 arc(41.56,55.34) 41.48,55.37 41.33,55.37 arc(41.24,55.34) 41.21,55.26 41.21,54.63 arc(41.18,54.55) 41.1,54.51 40.94,54.51 arc(40.86,54.55) 40.83,54.63 40.83,55.26 arc(40.8,55.34) 40.72,55.37 40.56,55.37 arc(40.48,55.34) 40.45,55.26 40.45,54.63 arc(40.42,54.55) 40.34,54.51 40.18,54.51 arc(40.1,54.55) 40.07,54.63 40.07,55.26 arc(40.04,55.34) 39.95,55.37 37.01,55.37 34.72,57.66 v1(32,57.66) ; 47.5,54.36 49.28,54.36 J11.5
